# KiCad board PANEL7x5_ADS1293.kicad_pcb (continued)
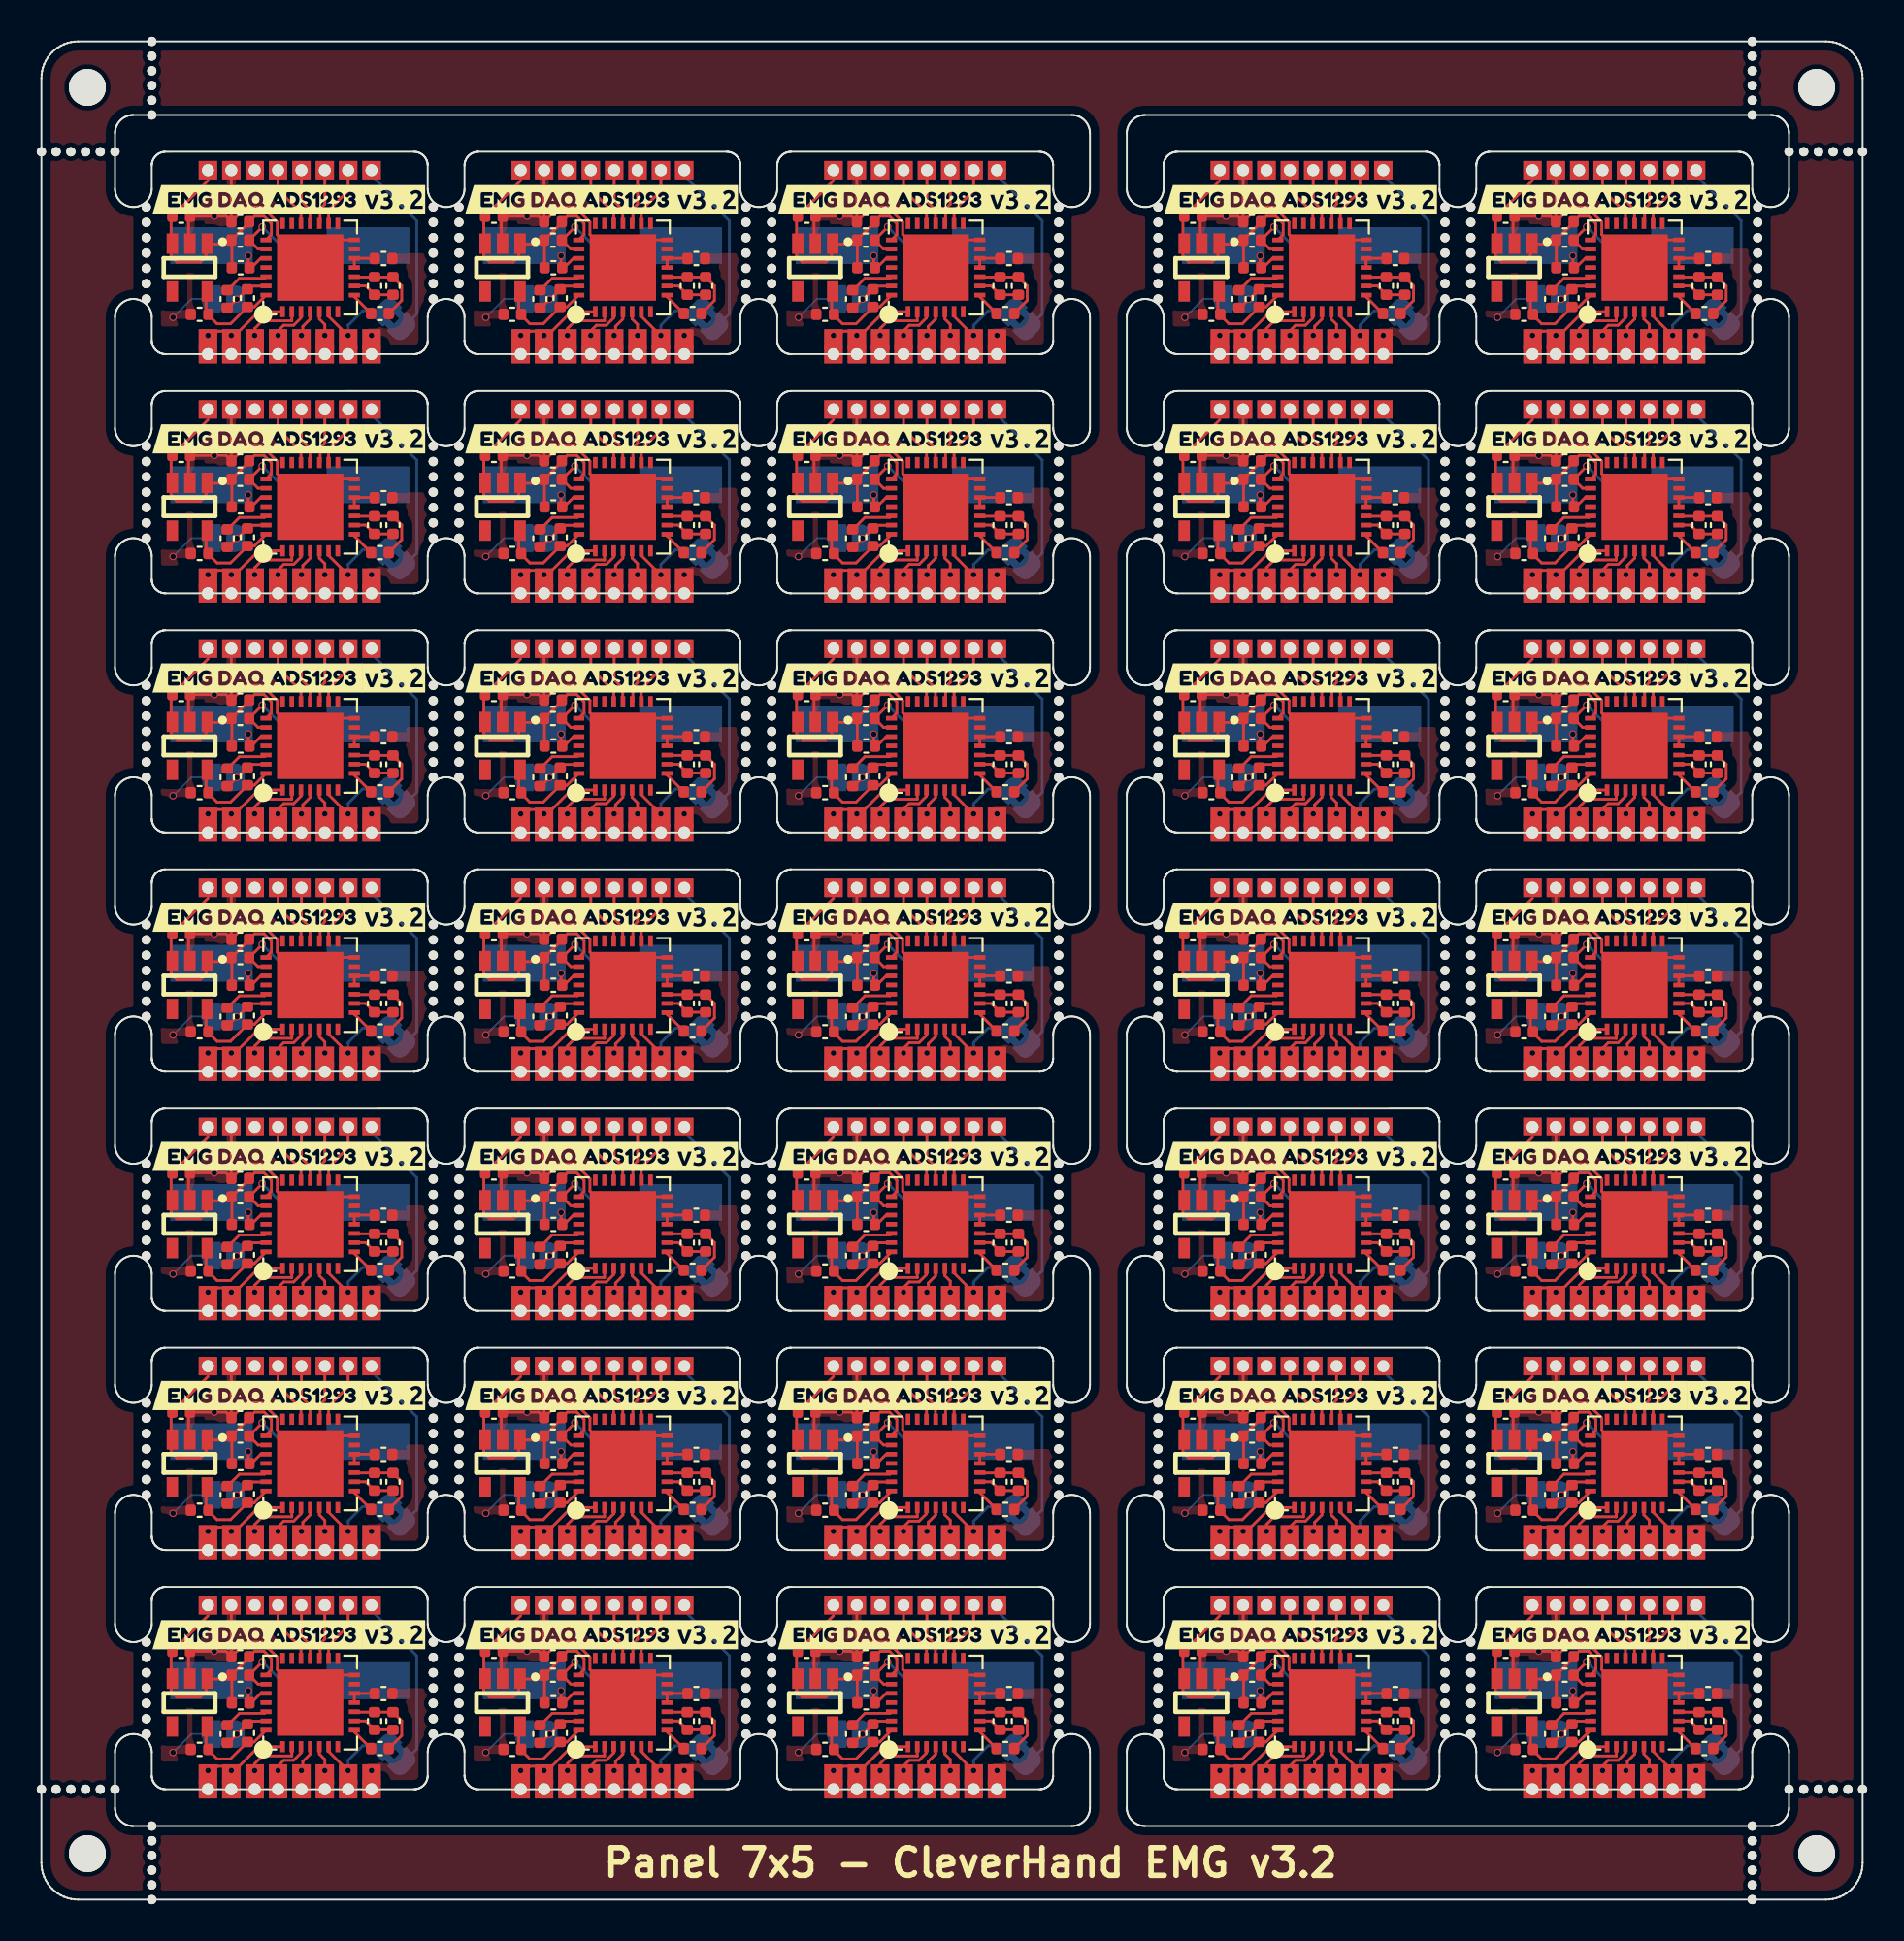
[diagram p0: board, top side]
## Routing (per net, layer and track width the routed paths; a pad name or vN(x,y) marks a point on that pad's centre or on a via; arc(x,y) is an arc through that point) (continued)
Board_8-/POCI: length 3.4
  Top w0.15: J9#9.1 67.87,79.94 69.11,78.69 U1#27.19
Board_8-/RLDINV: length 4.6
  Top w0.15: R1#12.1 74.59,73.92 74.59,74.72 R2#7.1 C6#21.1 72.03,75.19 U1#27.10
Board_8-/RLDOUT: length 2.3
  Top w0.15: U1#27.9 72.63,74.71 C6#21.2 R2#7.2
Board_8-/RLDREF: length 1.6
  Top w0.15: U1#27.11 U1#27.12 73.11,76.21 C7#27.1
Board_8-/SCLK: length 2.5
  Top w0.15: U1#27.17 70.15,78.15 70.15,78.9 70.41,79.16 70.41,80.5
Board_8-GND: length 18.1
  Top w0.15: C5#12.2 66.13,79 67,79 67.82,78.18 67.82,77.5 U1#27.29 71.11,77.21 U1#27.14 ; C5#12.2 65.33,78.21 65.33,80.5 ; C5#12.2 65.03,78.5 C9#19.2 63,78.42 63,76.98
  Bottom w0.1: v1(62.16,73) 63.16,74 JP1#7.1
  vias: v1(64.4,78.5)
Board_8-GNDA: length 2.7
  Top w0.15: v1(65.62,73.99) 65.66,73.99 C1#10.2 66.37,74.7 67.2,74.7 U1#27.27 ; v1(65.62,73.99) 65.16,73.52 C2#29.2 ; v1(65.62,73.99) 65.67,73.95
  vias: v1(72.94,72.02)
Board_8-XTAL1: length 8.3
  Top w0.15: v1(67,77.92) 67,77.91 C4#33.2 66.78,76.71 U1#27.23
  Bottom w0.15: v1(67,77.92) 68.03,76.9 Y1#4.1
Board_8-XTAL2: length 4.2
  Top w0.15: v1(66.25,76.35) 66.25,75.66 66.31,75.6 66.92,76.21 U1#27.24
  Bottom w0.15: v1(66.25,76.35) 65.7,76.9 Y1#4.2
Board_9-+3.3V: length 14.8
  Top w0.15: C4#20.1 82.12,76.98 80.95,76.98 80.95,76.31 80.64,76 79.36,76 79.05,76.31 79.05,78.43 C9#27.1 81.06,80.44 ; C4#20.1 82.35,77.18 82.35,75.6 ; C4#20.1 83.29,78.16 C5#24.1 83.59,78.5 84.1,78.5 84.5,78.1 84.5,77.5 U1#5.22 ; J13#3.1 81.06,80.94
Board_9-+3.3VA: length 5.5
  Top w0.15: 80.95,74.61 80.95,73.3 C8#16.1 81.08,73.12 81.55,72.65 82.28,72.65 C1#17.1 83.57,73.57 U1#5.28
Board_9-/CMOUT: length 1.4
  Top w0.15: U1#5.8 89.01,74.12 R1#13.2
Board_9-/CSB: length 3.3
  Top w0.15: U1#5.16 87.61,78.81 88.68,79.88 J12#14.1
Board_9-/cvref: length 2.4
  Top w0.15: C2#7.1 82.12,74.48 82.77,75.12 84.12,75.12 U1#5.26
Board_9-/extRef: length 9.5
  Bottom w0.15: JP2#23.1 92.4,73.18 92.4,78.25 90.15,80.5 ; 90.15,81 J7#35.1
Board_9-/in1: length 6.5
  Top w0.15: v1(81.06,72.02) 81.34,72.02 81.57,72.25 82.31,72.25 ; 82.31,72.25 82.75,72.25 83.81,73.31 U1#5.1 ; 82.31,72.25 82.31,72.04 v1(82.33,72.02) 82.31,72 82.31,71.09 82.33,71.09 ; 81.06,71.73 J2#34.1
Board_9-/in2: length 4
  Top w0.15: 83.59,71.09 v1(83.59,72.02) 83.59,72.39 84.01,72.81 85.61,72.81 U1#5.2
Board_9-/in3: length 3.1
  Top w0.15: J5#27.1 v1(84.87,72.02) 84.87,72.27 85.17,72.57 85.71,72.57 86.11,72.97 U1#5.3
Board_9-/in4: length 2.6
  Top w0.15: 86.11,71.11 86.14,71.09 ; J6#18.1 86.21,71.08 86.21,71.94 v1(86.14,72.02) 86.21,72.09 86.21,72.51 86.61,72.91 U1#5.4
Board_9-/in5: length 2.5
  Top w0.15: 87.32,71.09 87.41,71.09 ; U1#5.5 87.11,72.91 87.41,72.62 v1(87.41,72.02) J8#10.1
Board_9-/in6: length 7.3
  Top w0.15: J15#11.1 88.68,71.99 87.61,73.06 U1#5.6
  Bottom w0.15: J15#11.1 v1(88.68,72.02) 88.68,72.58 89.46,73.36 JP2#23.2 90.74,73.09 90.55,72.9
Board_9-/PICO: length 3.1
  Top w0.15: U1#5.18 86.6,78.12 86.6,78.85 86.14,79.31 J10#25.1
Board_9-/POCI: length 3.4
  Top w0.15: J9#30.1 84.87,79.94 86.11,78.69 U1#5.19
Board_9-/RLDINV: length 4.6
  Top w0.15: R1#13.1 91.59,73.92 91.59,74.72 R2#12.1 C6#28.1 89.03,75.19 U1#5.10
Board_9-/RLDOUT: length 2.3
  Top w0.15: U1#5.9 89.63,74.71 C6#28.2 R2#12.2
Board_9-/RLDREF: length 1.6
  Top w0.15: U1#5.11 U1#5.12 90.11,76.21 C7#10.1
Board_9-/SCLK: length 2.5
  Top w0.15: U1#5.17 87.15,78.15 87.15,78.9 87.41,79.16 87.41,80.5
Board_9-GND: length 18.1
  Top w0.15: U1#5.14 88.11,77.21 U1#5.29 84.82,77.5 84.82,78.18 84,79 83.13,79 C5#24.2 ; C5#24.2 82.03,78.5 C9#27.2 80,78.42 80,76.98 ; C5#24.2 82.33,78.21 82.33,80.5
  Bottom w0.1: JP1#21.1 80.16,74 v1(79.16,73)
  vias: v1(81.4,78.5)
Board_9-GNDA: length 2.7
  Top w0.15: U1#5.27 84.2,74.7 83.37,74.7 C1#17.2 82.66,73.99 v1(82.62,73.99) ; 82.67,73.95 v1(82.62,73.99) ; v1(82.62,73.99) 82.16,73.52 C2#7.2
  vias: v1(89.94,72.02)
Board_9-XTAL1: length 8.3
  Top w0.15: U1#5.23 83.78,76.71 C4#20.2 84,77.91 v1(84,77.92)
  Bottom w0.15: Y1#20.1 85.03,76.9 v1(84,77.92)
Board_9-XTAL2: length 4.2
  Top w0.15: v1(83.25,76.35) 83.25,75.66 83.31,75.6 83.92,76.21 U1#5.24
  Bottom w0.15: Y1#20.2 82.7,76.9 v1(83.25,76.35)
Board_10-+3.3V: length 14.8
  Top w0.15: C4#26.1 10.35,64.18 10.35,62.6 ; C4#26.1 11.29,65.16 C5#26.1 11.59,65.5 12.1,65.5 12.5,65.1 12.5,64.5 U1#3.22 ; C4#26.1 10.12,63.98 8.95,63.98 8.95,63.31 8.64,63 7.36,63 7.05,63.31 7.05,65.43 C9#17.1 9.05,67.44 ; J13#30.1 9.05,67.94
Board_10-+3.3VA: length 5.5
  Top w0.15: U1#3.28 11.57,60.57 C1#15.1 10.28,59.65 9.55,59.65 9.08,60.12 C8#23.1 8.95,60.3 8.95,61.62
Board_10-/CMOUT: length 1.4
  Top w0.15: R1#22.2 17.01,61.12 U1#3.8
Board_10-/CSB: length 3.3
  Top w0.15: U1#3.16 15.61,65.81 16.68,66.88 J12#18.1
Board_10-/cvref: length 2.4
  Top w0.15: C2#30.1 10.12,61.48 10.77,62.12 12.12,62.12 U1#3.26
Board_10-/extRef: length 9.5
  Bottom w0.15: JP2#26.1 20.4,60.18 20.4,65.25 18.15,67.5 ; 18.15,68 J7#13.1
Board_10-/in1: length 6.5
  Top w0.15: 10.33,58.09 10.3,58.09 10.3,59 v1(10.33,59.02) 10.3,59.04 10.3,59.25 ; 9.05,58.73 J2#32.1 ; v1(9.05,59.02) 9.34,59.02 9.57,59.25 10.3,59.25 ; 10.3,59.25 10.75,59.25 11.81,60.31 U1#3.1
Board_10-/in2: length 4
  Top w0.15: U1#3.2 13.61,59.81 12.01,59.81 11.59,59.4 v1(11.59,59.02) 11.59,58.09
Board_10-/in3: length 3.1
  Top w0.15: J5#31.1 v1(12.87,59.02) 12.87,59.27 13.17,59.57 13.71,59.57 14.11,59.97 U1#3.3
Board_10-/in4: length 2.6
  Top w0.15: U1#3.4 14.61,59.91 14.21,59.51 14.21,59.09 v1(14.14,59.02) 14.21,58.94 14.21,58.08 J6#6.1 ; 14.11,58.11 14.14,58.09
Board_10-/in5: length 2.5
  Top w0.15: U1#3.5 15.11,59.91 15.41,59.62 v1(15.41,59.02) J8#22.1 ; 15.32,58.09 15.41,58.09
Board_10-/in6: length 7.3
  Top w0.15: U1#3.6 15.61,60.06 16.68,58.99 J15#17.1
  Bottom w0.15: 18.55,59.9 18.74,60.09 JP2#26.2 17.46,60.36 16.68,59.58 v1(16.68,59.02) J15#17.1
Board_10-/PICO: length 3.1
  Top w0.15: U1#3.18 14.6,65.12 14.6,65.85 14.14,66.31 J10#24.1
Board_10-/POCI: length 3.4
  Top w0.15: U1#3.19 14.11,65.69 12.87,66.94 J9#34.1
Board_10-/RLDINV: length 4.6
  Top w0.15: U1#3.10 17.03,62.19 C6.1 R2#19.1 19.59,61.72 19.59,60.92 R1#22.1
Board_10-/RLDOUT: length 2.3
  Top w0.15: R2#19.2 C6.2 17.63,61.71 U1#3.9
Board_10-/RLDREF: length 1.6
  Top w0.15: U1#3.11 U1#3.12 18.11,63.21 C7#18.1
Board_10-/SCLK: length 2.5
  Top w0.15: U1#3.17 15.15,65.15 15.15,65.9 15.41,66.16 15.41,67.5
Board_10-GND: length 18.1
  Top w0.15: 8,63.98 8,65.42 C9#17.2 10.03,65.5 C5#26.2 ; 10.33,67.5 10.33,65.21 C5#26.2 ; C5#26.2 11.13,66 12,66 12.82,65.18 12.82,64.5 U1#3.29 16.11,64.21 U1#3.14
  Bottom w0.1: JP1#13.1 8.16,61 v1(7.16,60)
  vias: v1(9.4,65.5)
Board_10-GNDA: length 2.7
  Top w0.15: v1(10.62,60.99) 10.66,60.99 C1#15.2 11.37,61.7 12.2,61.7 U1#3.27 ; v1(10.62,60.99) 10.16,60.52 C2#30.2 ; v1(10.62,60.99) 10.67,60.95
  vias: v1(17.95,59.02)
Board_10-XTAL1: length 8.3
  Top w0.15: v1(12,64.92) 12,64.91 C4#26.2 11.78,63.71 U1#3.23
  Bottom w0.15: v1(12,64.92) 13.02,63.9 Y1#25.1
Board_10-XTAL2: length 4.2
  Top w0.15: U1#3.24 11.92,63.21 11.31,62.6 11.25,62.66 v1(11.25,63.35)
  Bottom w0.15: Y1#25.2 10.7,63.9 v1(11.25,63.35)
Board_11-+3.3V: length 14.8
  Top w0.15: 26.06,67.44 C9#21.1 24.05,65.43 24.05,63.31 24.36,63 25.64,63 25.95,63.31 25.95,63.98 27.12,63.98 C4#31.1 ; C4#31.1 28.29,65.16 C5#30.1 28.59,65.5 29.1,65.5 29.5,65.1 29.5,64.5 U1#29.22 ; C4#31.1 27.35,64.18 27.35,62.6 ; J13#21.1 26.06,67.94
Board_11-+3.3VA: length 5.5
  Top w0.15: U1#29.28 28.57,60.57 C1#35.1 27.28,59.65 26.55,59.65 26.08,60.12 C8#3.1 25.95,60.3 25.95,61.62
Board_11-/CMOUT: length 1.4
  Top w0.15: R1#15.2 34.01,61.12 U1#29.8
Board_11-/CSB: length 3.3
  Top w0.15: J12#33.1 33.68,66.88 32.61,65.81 U1#29.16
Board_11-/cvref: length 2.4
  Top w0.15: C2#32.1 27.12,61.48 27.77,62.12 29.12,62.12 U1#29.26
Board_11-/extRef: length 9.5
  Bottom w0.15: 35.15,67.5 37.4,65.25 37.4,60.18 JP2#16.1 ; 35.15,68 J7#19.1
Board_11-/in1: length 6.5
  Top w0.15: U1#29.1 28.81,60.31 27.75,59.25 27.31,59.25 ; 27.33,58.09 27.31,58.09 27.31,59 v1(27.33,59.02) 27.31,59.04 27.31,59.25 ; 27.31,59.25 26.57,59.25 26.34,59.02 v1(26.06,59.02) ; 26.06,58.73 J2#5.1
Board_11-/in2: length 4
  Top w0.15: U1#29.2 30.61,59.81 29.01,59.81 28.6,59.4 v1(28.6,59.02) 28.6,58.09
Board_11-/in3: length 3.1
  Top w0.15: J5#6.1 v1(29.87,59.02) 29.87,59.27 30.17,59.57 30.71,59.57 31.11,59.97 U1#29.3
Board_11-/in4: length 2.6
  Top w0.15: J6#4.1 31.21,58.08 31.21,58.94 v1(31.14,59.02) 31.21,59.09 31.21,59.51 31.61,59.91 U1#29.4 ; 31.11,58.11 31.14,58.09
Board_11-/in5: length 2.5
  Top w0.15: J8#4.1 v1(32.41,59.02) 32.41,59.62 32.11,59.91 U1#29.5 ; 32.32,58.09 32.41,58.09
Board_11-/in6: length 7.3
  Top w0.15: U1#29.6 32.61,60.06 33.68,58.99 J15#21.1
  Bottom w0.15: 35.55,59.9 35.74,60.09 JP2#16.2 34.46,60.36 33.68,59.58 v1(33.68,59.02) J15#21.1
Board_11-/PICO: length 3.1
  Top w0.15: U1#29.18 31.6,65.12 31.6,65.85 31.14,66.31 J10#8.1
Board_11-/POCI: length 3.4
  Top w0.15: J9#8.1 29.87,66.94 31.11,65.69 U1#29.19
Board_11-/RLDINV: length 4.6
  Top w0.15: R1#15.1 36.59,60.92 36.59,61.72 R2#5.1 C6#15.1 34.03,62.19 U1#29.10
Board_11-/RLDOUT: length 2.3
  Top w0.15: U1#29.9 34.63,61.71 C6#15.2 R2#5.2
Board_11-/RLDREF: length 1.6
  Top w0.15: U1#29.11 U1#29.12 35.11,63.21 C7.1
Board_11-/SCLK: length 2.5
  Top w0.15: U1#29.17 32.15,65.15 32.15,65.9 32.41,66.16 32.41,67.5
Board_11-GND: length 18.1
  Top w0.15: C5#30.2 28.13,66 29,66 29.82,65.18 29.82,64.5 U1#29.29 33.11,64.21 U1#29.14 ; C5#30.2 27.03,65.5 C9#21.2 25,65.42 25,63.98 ; C5#30.2 27.33,65.21 27.33,67.5
  Bottom w0.1: v1(24.16,60) 25.16,61 JP1#23.1
  vias: v1(26.4,65.5)
Board_11-GNDA: length 2.7
  Top w0.15: C2#32.2 27.16,60.52 v1(27.63,60.99) ; U1#29.27 29.2,61.7 28.37,61.7 C1#35.2 27.66,60.99 v1(27.63,60.99) ; v1(27.63,60.99) 27.67,60.95
  vias: v1(34.95,59.02)
Board_11-XTAL1: length 8.3
  Top w0.15: v1(29,64.92) 29,64.91 C4#31.2 28.78,63.71 U1#29.23
  Bottom w0.15: Y1#28.1 30.03,63.9 v1(29,64.92)
Board_11-XTAL2: length 4.2
  Top w0.15: v1(28.25,63.35) 28.25,62.66 28.31,62.6 28.92,63.21 U1#29.24
  Bottom w0.15: Y1#28.2 27.7,63.9 v1(28.25,63.35)
Board_12-+3.3V: length 14.8
  Top w0.15: 44.35,62.6 44.35,64.18 C4#11.1 ; J13#28.1 43.05,67.94 ; C4#11.1 45.29,65.16 C5#21.1 45.59,65.5 46.1,65.5 46.5,65.1 46.5,64.5 U1#25.22 ; C4#11.1 44.12,63.98 42.95,63.98 42.95,63.31 42.64,63 41.36,63 41.05,63.31 41.05,65.43 C9#15.1 43.05,67.44
Board_12-+3.3VA: length 5.5
  Top w0.15: U1#25.28 45.57,60.57 C1#30.1 44.28,59.65 43.55,59.65 43.08,60.12 C8#6.1 42.95,60.3 42.95,61.62
Board_12-/CMOUT: length 1.4
  Top w0.15: R1#35.2 51.01,61.12 U1#25.8
Board_12-/CSB: length 3.3
  Top w0.15: U1#25.16 49.61,65.81 50.68,66.88 J12#35.1
Board_12-/cvref: length 2.4
  Top w0.15: C2#6.1 44.12,61.48 44.77,62.12 46.12,62.12 U1#25.26
Board_12-/extRef: length 9.5
  Bottom w0.15: 52.15,68 J7#32.1 ; JP2#30.1 54.4,60.18 54.4,65.25 52.15,67.5
Board_12-/in1: length 6.5
  Top w0.15: U1#25.1 45.81,60.31 44.75,59.25 44.3,59.25 ; 44.3,59.25 43.57,59.25 43.34,59.02 v1(43.05,59.02) ; 44.3,59.25 44.3,59.04 v1(44.33,59.02) 44.3,59 44.3,58.09 44.33,58.09 ; 43.05,58.73 J2#26.1
Board_12-/in2: length 4
  Top w0.15: U1#25.2 47.61,59.81 46.01,59.81 45.59,59.4 v1(45.59,59.02) 45.59,58.09
Board_12-/in3: length 3.1
  Top w0.15: J5#32.1 v1(46.87,59.02) 46.87,59.27 47.17,59.57 47.71,59.57 48.11,59.97 U1#25.3
Board_12-/in4: length 2.6
  Top w0.15: J6#35.1 48.21,58.08 48.21,58.94 v1(48.14,59.02) 48.21,59.09 48.21,59.51 48.61,59.91 U1#25.4 ; 48.11,58.11 48.14,58.09
Board_12-/in5: length 2.5
  Top w0.15: U1#25.5 49.11,59.91 49.41,59.62 v1(49.41,59.02) J8#24.1 ; 49.32,58.09 49.41,58.09
Board_12-/in6: length 7.3
  Top w0.15: J15#4.1 50.68,58.99 49.61,60.06 U1#25.6
  Bottom w0.15: 52.55,59.9 52.74,60.09 JP2#30.2 51.46,60.36 50.68,59.58 v1(50.68,59.02) J15#4.1
Board_12-/PICO: length 3.1
  Top w0.15: U1#25.18 48.6,65.12 48.6,65.85 48.14,66.31 J10#2.1
Board_12-/POCI: length 3.4
  Top w0.15: U1#25.19 48.11,65.69 46.87,66.94 J9#7.1
Board_12-/RLDINV: length 4.6
  Top w0.15: U1#25.10 51.03,62.19 C6#34.1 R2#28.1 53.59,61.72 53.59,60.92 R1#35.1
Board_12-/RLDOUT: length 2.3
  Top w0.15: R2#28.2 C6#34.2 51.63,61.71 U1#25.9
Board_12-/RLDREF: length 1.6
  Top w0.15: C7#32.1 52.11,63.21 U1#25.12 U1#25.11
Board_12-/SCLK: length 2.5
  Top w0.15: 49.41,67.5 49.41,66.16 49.15,65.9 49.15,65.15 U1#25.17
Board_12-GND: length 18.1
  Top w0.15: C5#21.2 44.33,65.21 44.33,67.5 ; C5#21.2 44.03,65.5 C9#15.2 42,65.42 42,63.98 ; C5#21.2 45.13,66 46,66 46.82,65.18 46.82,64.5 U1#25.29 50.11,64.21 U1#25.14
  Bottom w0.1: v1(41.16,60) 42.16,61 JP1#11.1
  vias: v1(43.4,65.5)
Board_12-GNDA: length 2.7
  Top w0.15: v1(44.62,60.99) 44.66,60.99 C1#30.2 45.37,61.7 46.2,61.7 U1#25.27 ; v1(44.62,60.99) 44.67,60.95 ; v1(44.62,60.99) 44.16,60.52 C2#6.2
  vias: v1(51.95,59.02)
Board_12-XTAL1: length 8.3
  Top w0.15: v1(46,64.92) 46,64.91 C4#11.2 45.78,63.71 U1#25.23
  Bottom w0.15: v1(46,64.92) 47.02,63.9 Y1#18.1
Board_12-XTAL2: length 4.2
  Top w0.15: U1#25.24 45.92,63.21 45.31,62.6 45.25,62.66 v1(45.25,63.35)
  Bottom w0.15: Y1#18.2 44.7,63.9 v1(45.25,63.35)
Board_13-+3.3V: length 14.8
  Top w0.15: J13#2.1 64.06,67.94 ; 65.35,62.6 65.35,64.18 C4#10.1 ; U1#16.22 67.5,64.5 67.5,65.1 67.1,65.5 66.59,65.5 C5#6.1 66.29,65.16 C4#10.1 ; C4#10.1 65.12,63.98 63.95,63.98 63.95,63.31 63.64,63 62.36,63 62.05,63.31 62.05,65.43 C9#6.1 64.06,67.44
Board_13-+3.3VA: length 5.5
  Top w0.15: U1#16.28 66.57,60.57 C1#21.1 65.28,59.65 64.55,59.65 64.08,60.12 C8#13.1 63.95,60.3 63.95,61.62
Board_13-/CMOUT: length 1.4
  Top w0.15: U1#16.8 72.01,61.12 R1#2.2
Board_13-/CSB: length 3.3
  Top w0.15: U1#16.16 70.61,65.81 71.67,66.88 J12#16.1
Board_13-/cvref: length 2.4
  Top w0.15: C2#15.1 65.12,61.48 65.77,62.12 67.12,62.12 U1#16.26
Board_13-/extRef: length 9.5
  Bottom w0.15: JP2#24.1 75.4,60.18 75.4,65.25 73.15,67.5 ; 73.15,68 J7#33.1
Board_13-/in1: length 6.5
  Top w0.15: 65.33,58.09 65.31,58.09 65.31,59 v1(65.33,59.02) 65.31,59.04 65.31,59.25 ; 65.31,59.25 65.75,59.25 66.81,60.31 U1#16.1 ; 65.31,59.25 64.57,59.25 64.34,59.02 v1(64.06,59.02) ; 64.06,58.73 J2#31.1
Board_13-/in2: length 4
  Top w0.15: U1#16.2 68.61,59.81 67.01,59.81 66.59,59.4 v1(66.59,59.02) 66.59,58.09
Board_13-/in3: length 3.1
  Top w0.15: J5#15.1 v1(67.87,59.02) 67.87,59.27 68.17,59.57 68.71,59.57 69.11,59.97 U1#16.3
Board_13-/in4: length 2.6
  Top w0.15: U1#16.4 69.61,59.91 69.21,59.51 69.21,59.09 v1(69.14,59.02) 69.21,58.94 69.21,58.08 J6#16.1 ; 69.11,58.11 69.14,58.09
Board_13-/in5: length 2.5
  Top w0.15: 70.32,58.09 70.41,58.09 ; U1#16.5 70.11,59.91 70.41,59.62 v1(70.41,59.02) J8#15.1
Board_13-/in6: length 7.3
  Top w0.15: J15#10.1 71.67,58.99 70.61,60.06 U1#16.6
  Bottom w0.15: 73.55,59.9 73.74,60.09 JP2#24.2 72.46,60.36 71.67,59.58 v1(71.67,59.02) J15#10.1
Board_13-/PICO: length 3.1
  Top w0.15: J10#22.1 69.14,66.31 69.6,65.85 69.6,65.12 U1#16.18
Board_13-/POCI: length 3.4
  Top w0.15: J9#10.1 67.87,66.94 69.11,65.69 U1#16.19
Board_13-/RLDINV: length 4.6
  Top w0.15: R1#2.1 74.59,60.92 74.59,61.72 R2#29.1 C6#3.1 72.03,62.19 U1#16.10
Board_13-/RLDOUT: length 2.3
  Top w0.15: U1#16.9 72.63,61.71 C6#3.2 R2#29.2
Board_13-/RLDREF: length 1.6
  Top w0.15: U1#16.11 U1#16.12 73.11,63.21 C7#6.1
Board_13-/SCLK: length 2.5
  Top w0.15: 70.41,67.5 70.41,66.16 70.15,65.9 70.15,65.15 U1#16.17
Board_13-GND: length 18.1
  Top w0.15: C5#6.2 65.33,65.21 65.33,67.5 ; C5#6.2 65.03,65.5 C9#6.2 63,65.42 63,63.98 ; C5#6.2 66.13,66 67,66 67.82,65.18 67.82,64.5 U1#16.29 71.11,64.21 U1#16.14
  Bottom w0.1: JP1#35.1 63.16,61 v1(62.16,60)
  vias: v1(64.4,65.5)
Board_13-GNDA: length 2.7
  Top w0.15: v1(65.62,60.99) 65.16,60.52 C2#15.2 ; v1(65.62,60.99) 65.66,60.99 C1#21.2 66.37,61.7 67.2,61.7 U1#16.27 ; v1(65.62,60.99) 65.67,60.95
  vias: v1(72.94,59.02)
Board_13-XTAL1: length 8.3
  Top w0.15: v1(67,64.92) 67,64.91 C4#10.2 66.78,63.71 U1#16.23
  Bottom w0.15: v1(67,64.92) 68.03,63.9 Y1#5.1
Board_13-XTAL2: length 4.2
  Top w0.15: v1(66.25,63.35) 66.25,62.66 66.31,62.6 66.92,63.21 U1#16.24
  Bottom w0.15: Y1#5.2 65.7,63.9 v1(66.25,63.35)
Board_14-+3.3V: length 14.8
  Top w0.15: C4#6.1 82.35,64.18 82.35,62.6 ; C4#6.1 82.12,63.98 80.95,63.98 80.95,63.31 80.64,63 79.36,63 79.05,63.31 79.05,65.43 C9.1 81.06,67.44 ; C4#6.1 83.29,65.16 C5#17.1 83.59,65.5 84.1,65.5 84.5,65.1 84.5,64.5 U1#9.22 ; J13#20.1 81.06,67.94
Board_14-+3.3VA: length 5.5
  Top w0.15: 80.95,61.62 80.95,60.3 C8#5.1 81.08,60.12 81.55,59.65 82.28,59.65 C1#23.1 83.57,60.57 U1#9.28
Board_14-/CMOUT: length 1.4
  Top w0.15: U1#9.8 89.01,61.12 R1#11.2
Board_14-/CSB: length 3.3
  Top w0.15: J12#27.1 88.68,66.88 87.61,65.81 U1#9.16
Board_14-/cvref: length 2.4
  Top w0.15: C2#10.1 82.12,61.48 82.77,62.12 84.12,62.12 U1#9.26
Board_14-/extRef: length 9.5
  Bottom w0.15: 90.15,67.5 92.4,65.25 92.4,60.18 JP2#28.1 ; 90.15,68 J7#22.1
Board_14-/in1: length 6.5
  Top w0.15: 82.33,58.09 82.31,58.09 82.31,59 v1(82.33,59.02) 82.31,59.04 82.31,59.25 ; U1#9.1 83.81,60.31 82.75,59.25 82.31,59.25 ; v1(81.06,59.02) 81.34,59.02 81.57,59.25 82.31,59.25 ; 81.06,58.73 J2#30.1
Board_14-/in2: length 4
  Top w0.15: 83.59,58.09 v1(83.59,59.02) 83.59,59.4 84.01,59.81 85.61,59.81 U1#9.2
Board_14-/in3: length 3.1
  Top w0.15: J5#26.1 v1(84.87,59.02) 84.87,59.27 85.17,59.57 85.71,59.57 86.11,59.97 U1#9.3
Board_14-/in4: length 2.6
  Top w0.15: U1#9.4 86.61,59.91 86.21,59.51 86.21,59.09 v1(86.14,59.02) 86.21,58.94 86.21,58.08 J6#14.1 ; 86.11,58.11 86.14,58.09
Board_14-/in5: length 2.5
  Top w0.15: U1#9.5 87.11,59.91 87.41,59.62 v1(87.41,59.02) J8#23.1 ; 87.32,58.09 87.41,58.09
Board_14-/in6: length 7.3
  Top w0.15: J15#7.1 88.68,58.99 87.61,60.06 U1#9.6
  Bottom w0.15: 90.55,59.9 90.74,60.09 JP2#28.2 89.46,60.36 88.68,59.58 v1(88.68,59.02) J15#7.1
Board_14-/PICO: length 3.1
  Top w0.15: U1#9.18 86.6,65.12 86.6,65.85 86.14,66.31 J10#10.1
Board_14-/POCI: length 3.4
  Top w0.15: U1#9.19 86.11,65.69 84.87,66.94 J9#23.1
Board_14-/RLDINV: length 4.6
  Top w0.15: U1#9.10 89.03,62.19 C6#10.1 R2#9.1 91.59,61.72 91.59,60.92 R1#11.1
Board_14-/RLDOUT: length 2.3
  Top w0.15: R2#9.2 C6#10.2 89.63,61.71 U1#9.9
Board_14-/RLDREF: length 1.6
  Top w0.15: U1#9.11 U1#9.12 90.11,63.21 C7#12.1
Board_14-/SCLK: length 2.5
  Top w0.15: 87.41,67.5 87.41,66.16 87.15,65.9 87.15,65.15 U1#9.17
Board_14-GND: length 18.1
  Top w0.15: C5#17.2 82.03,65.5 C9.2 80,65.42 80,63.98 ; C5#17.2 82.33,65.21 82.33,67.5 ; C5#17.2 83.13,66 84,66 84.82,65.18 84.82,64.5 U1#9.29 88.11,64.21 U1#9.14
  Bottom w0.1: JP1#27.1 80.16,61 v1(79.16,60)
  vias: v1(81.4,65.5)
Board_14-GNDA: length 2.7
  Top w0.15: 82.67,60.95 v1(82.62,60.99) ; v1(82.62,60.99) 82.16,60.52 C2#10.2 ; v1(82.62,60.99) 82.66,60.99 C1#23.2 83.37,61.7 84.2,61.7 U1#9.27
  vias: v1(89.94,59.02)
Board_14-XTAL1: length 8.3
  Top w0.15: U1#9.23 83.78,63.71 C4#6.2 84,64.91 v1(84,64.92)
  Bottom w0.15: Y1#3.1 85.03,63.9 v1(84,64.92)
Board_14-XTAL2: length 4.2
  Top w0.15: v1(83.25,63.35) 83.25,62.66 83.31,62.6 83.92,63.21 U1#9.24
  Bottom w0.15: v1(83.25,63.35) 82.7,63.9 Y1#3.2
Board_15-+3.3V: length 14.8
  Top w0.15: 9.05,54.44 C9#30.1 7.05,52.43 7.05,50.31 7.36,50 8.64,50 8.95,50.31 8.95,50.98 10.12,50.98 C4#3.1 ; U1#22.22 12.5,51.5 12.5,52.1 12.1,52.5 11.59,52.5 C5#31.1 11.29,52.16 C4#3.1 ; J13#14.1 9.05,54.94 ; C4#3.1 10.35,51.18 10.35,49.6
Board_15-+3.3VA: length 5.5
  Top w0.15: 8.95,48.62 8.95,47.3 C8#32.1 9.08,47.12 9.55,46.65 10.28,46.65 C1#22.1 11.57,47.57 U1#22.28
Board_15-/CMOUT: length 1.4
  Top w0.15: U1#22.8 17.01,48.12 R1#32.2
Board_15-/CSB: length 3.3
  Top w0.15: J12#20.1 16.68,53.88 15.61,52.81 U1#22.16
Board_15-/cvref: length 2.4
  Top w0.15: C2#16.1 10.12,48.48 10.77,49.12 12.12,49.12 U1#22.26
Board_15-/extRef: length 9.5
  Bottom w0.15: 18.15,54.5 20.4,52.25 20.4,47.18 JP2#4.1 ; 18.15,55 J7.1
Board_15-/in1: length 6.5
  Top w0.15: 10.3,46.25 10.3,46.04 v1(10.33,46.02) 10.3,46 10.3,45.09 10.33,45.09 ; 10.3,46.25 10.75,46.25 11.81,47.31 U1#22.1 ; 10.3,46.25 9.57,46.25 9.34,46.02 v1(9.05,46.02) ; 9.05,45.73 J2#3.1
Board_15-/in2: length 4
  Top w0.15: U1#22.2 13.61,46.81 12.01,46.81 11.59,46.4 v1(11.59,46.02) 11.59,45.09
Board_15-/in3: length 3.1
  Top w0.15: U1#22.3 14.11,46.97 13.71,46.57 13.17,46.57 12.87,46.27 v1(12.87,46.02) J5#7.1
Board_15-/in4: length 2.6
  Top w0.15: J6#21.1 14.21,45.08 14.21,45.94 v1(14.14,46.02) 14.21,46.09 14.21,46.51 14.61,46.91 U1#22.4 ; 14.11,45.11 14.14,45.09
Board_15-/in5: length 2.5
  Top w0.15: J8#16.1 v1(15.41,46.02) 15.41,46.62 15.11,46.91 U1#22.5 ; 15.32,45.09 15.41,45.09
Board_15-/in6: length 7.3
  Top w0.15: J15#26.1 16.68,45.99 15.61,47.06 U1#22.6
  Bottom w0.15: 18.55,46.9 18.74,47.09 JP2#4.2 17.46,47.36 16.68,46.58 v1(16.68,46.02) J15#26.1
Board_15-/PICO: length 3.1
  Top w0.15: J10#11.1 14.14,53.31 14.6,52.85 14.6,52.12 U1#22.18
Board_15-/POCI: length 3.4
  Top w0.15: J9#2.1 12.87,53.94 14.11,52.69 U1#22.19
Board_15-/RLDINV: length 4.6
  Top w0.15: R1#32.1 19.59,47.92 19.59,48.72 R2#21.1 C6#2.1 17.03,49.19 U1#22.10
Board_15-/RLDOUT: length 2.3
  Top w0.15: R2#21.2 C6#2.2 17.63,48.71 U1#22.9
Board_15-/RLDREF: length 1.6
  Top w0.15: U1#22.11 U1#22.12 18.11,50.21 C7#3.1
Board_15-/SCLK: length 2.5
  Top w0.15: 15.41,54.5 15.41,53.16 15.15,52.9 15.15,52.15 U1#22.17
Board_15-GND: length 18.1
  Top w0.15: 10.33,54.5 10.33,52.21 C5#31.2 ; U1#22.14 16.11,51.21 U1#22.29 12.82,51.5 12.82,52.18 12,53 11.13,53 C5#31.2 ; 8,50.98 8,52.42 C9#30.2 10.03,52.5 C5#31.2
  Bottom w0.1: v1(7.16,47) 8.16,48 JP1#8.1
  vias: v1(9.4,52.5)
Board_15-GNDA: length 2.7
  Top w0.15: 10.67,47.95 v1(10.62,47.99) ; v1(10.62,47.99) 10.16,47.52 C2#16.2 ; v1(10.62,47.99) 10.66,47.99 C1#22.2 11.37,48.7 12.2,48.7 U1#22.27
  vias: v1(17.95,46.02)
Board_15-XTAL1: length 8.3
  Top w0.15: v1(12,51.92) 12,51.91 C4#3.2 11.78,50.71 U1#22.23
  Bottom w0.15: v1(12,51.92) 13.02,50.9 Y1#15.1
Board_15-XTAL2: length 4.2
  Top w0.15: v1(11.25,50.35) 11.25,49.66 11.31,49.6 11.92,50.21 U1#22.24
  Bottom w0.15: Y1#15.2 10.7,50.9 v1(11.25,50.35)
Board_16-+3.3V: length 14.8
  Top w0.15: J13#10.1 26.06,54.94 ; 26.06,54.44 C9#16.1 24.05,52.43 24.05,50.31 24.36,50 25.64,50 25.95,50.31 25.95,50.98 27.12,50.98 C4#17.1 ; C4#17.1 28.29,52.16 C5#13.1 28.59,52.5 29.1,52.5 29.5,52.1 29.5,51.5 U1#35.22 ; C4#17.1 27.35,51.18 27.35,49.6
Board_16-+3.3VA: length 5.5
  Top w0.15: 25.95,48.62 25.95,47.3 C8#9.1 26.08,47.12 26.55,46.65 27.28,46.65 C1#28.1 28.57,47.57 U1#35.28
Board_16-/CMOUT: length 1.4
  Top w0.15: R1#14.2 34.01,48.12 U1#35.8
Board_16-/CSB: length 3.3
  Top w0.15: J12#3.1 33.68,53.88 32.61,52.81 U1#35.16
Board_16-/cvref: length 2.4
  Top w0.15: C2#33.1 27.12,48.48 27.77,49.12 29.12,49.12 U1#35.26
Board_16-/extRef: length 9.5
  Bottom w0.15: 35.15,55 J7#26.1 ; JP2.1 37.4,47.18 37.4,52.25 35.15,54.5
Board_16-/in1: length 6.5
  Top w0.15: 27.31,46.25 27.75,46.25 28.81,47.31 U1#35.1 ; 27.31,46.25 26.57,46.25 26.34,46.02 v1(26.06,46.02) ; 27.31,46.25 27.31,46.04 v1(27.33,46.02) 27.31,46 27.31,45.09 27.33,45.09 ; 26.06,45.73 J2#22.1
Board_16-/in2: length 4
  Top w0.15: 28.6,45.09 v1(28.6,46.02) 28.6,46.4 29.01,46.81 30.61,46.81 U1#35.2
Board_16-/in3: length 3.1
  Top w0.15: U1#35.3 31.11,46.97 30.71,46.57 30.17,46.57 29.87,46.27 v1(29.87,46.02) J5#20.1
Board_16-/in4: length 2.6
  Top w0.15: 31.11,45.11 31.14,45.09 ; U1#35.4 31.61,46.91 31.21,46.51 31.21,46.09 v1(31.14,46.02) 31.21,45.94 31.21,45.08 J6#3.1
Board_16-/in5: length 2.5
  Top w0.15: J8#20.1 v1(32.41,46.02) 32.41,46.62 32.11,46.91 U1#35.5 ; 32.32,45.09 32.41,45.09
Board_16-/in6: length 7.3
  Top w0.15: J15#23.1 33.68,45.99 32.61,47.06 U1#35.6
  Bottom w0.15: J15#23.1 v1(33.68,46.02) 33.68,46.58 34.46,47.36 JP2.2 35.74,47.09 35.55,46.9
Board_16-/PICO: length 3.1
  Top w0.15: J10#13.1 31.14,53.31 31.6,52.85 31.6,52.12 U1#35.18
Board_16-/POCI: length 3.4
  Top w0.15: J9#5.1 29.87,53.94 31.11,52.69 U1#35.19
Board_16-/RLDINV: length 4.6
  Top w0.15: R1#14.1 36.59,47.92 36.59,48.72 R2#14.1 C6#7.1 34.03,49.19 U1#35.10
Board_16-/RLDOUT: length 2.3
  Top w0.15: U1#35.9 34.63,48.71 C6#7.2 R2#14.2
Board_16-/RLDREF: length 1.6
  Top w0.15: C7#2.1 35.11,50.21 U1#35.12 U1#35.11
Board_16-/SCLK: length 2.5
  Top w0.15: U1#35.17 32.15,52.15 32.15,52.9 32.41,53.16 32.41,54.5
Board_16-GND: length 18.1
  Top w0.15: U1#35.14 33.11,51.21 U1#35.29 29.82,51.5 29.82,52.18 29,53 28.13,53 C5#13.2 ; C5#13.2 27.33,52.21 27.33,54.5 ; C5#13.2 27.03,52.5 C9#16.2 25,52.42 25,50.98
  Bottom w0.1: JP1#33.1 25.16,48 v1(24.16,47)
  vias: v1(26.4,52.5)
Board_16-GNDA: length 2.7
  Top w0.15: v1(27.63,47.99) 27.16,47.52 C2#33.2 ; v1(27.63,47.99) 27.67,47.95 ; v1(27.63,47.99) 27.66,47.99 C1#28.2 28.37,48.7 29.2,48.7 U1#35.27
  vias: v1(34.95,46.02)
Board_16-XTAL1: length 8.3
  Top w0.15: U1#35.23 28.78,50.71 C4#17.2 29,51.91 v1(29,51.92)
  Bottom w0.15: Y1#23.1 30.03,50.9 v1(29,51.92)
Board_16-XTAL2: length 4.2
  Top w0.15: U1#35.24 28.92,50.21 28.31,49.6 28.25,49.66 v1(28.25,50.35)
  Bottom w0.15: v1(28.25,50.35) 27.7,50.9 Y1#23.2
Board_17-+3.3V: length 14.8
  Top w0.15: C4#27.1 45.29,52.16 C5#32.1 45.59,52.5 46.1,52.5 46.5,52.1 46.5,51.5 U1.22 ; C4#27.1 44.35,51.18 44.35,49.6 ; C4#27.1 44.12,50.98 42.95,50.98 42.95,50.31 42.64,50 41.36,50 41.05,50.31 41.05,52.43 C9#31.1 43.05,54.44 ; J13#7.1 43.05,54.94
